# Altium PCB PCB v0.3.PcbDoc (part 2 of 2)
Units mm, origin at the board's own origin, x right, y up, seen from the top; angles counter-clockwise.
Board outline 38 x 38 mm, 8 copper layers (Top, GND Top, Signal 1/3.3V, Signal 2, Power 5/VBat, Signal 3, GND Bottom, Bottom), stack 1.211 mm thick; 169 components, 118 nets, 671 pads, 595 vias.
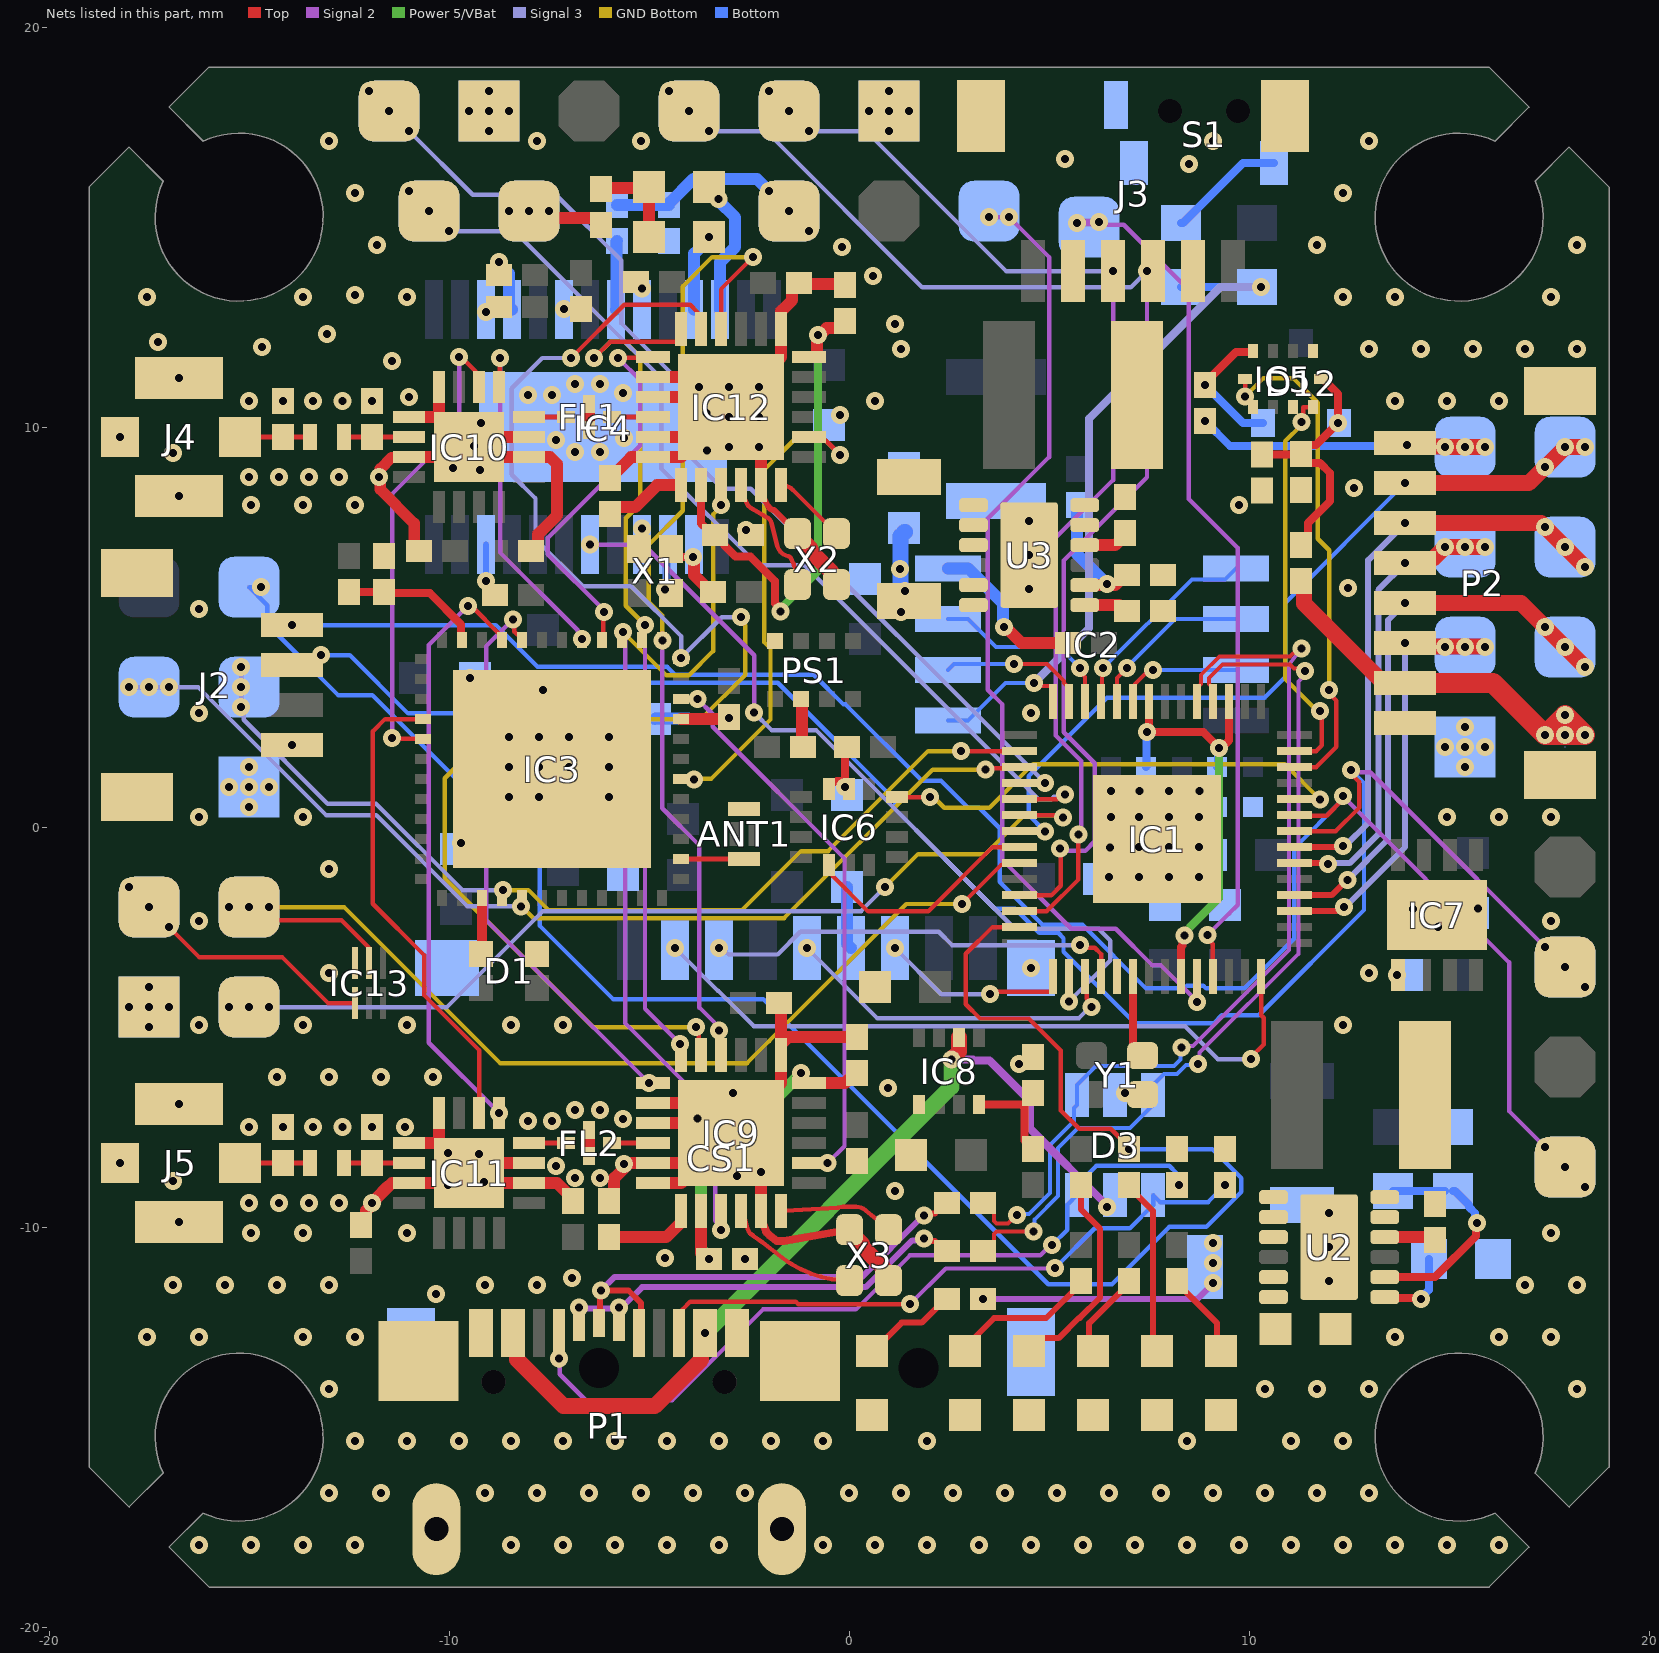
[diagram p8: the nets of this part, all layers, seen from the top]

## Via types
v1: diameter 0.45, hole 0.2, Top to Bottom, tented both sides, 590 vias
v2: diameter 0.6, hole 0.2, Top to Bottom, tented both sides, 4 vias
v3: diameter 0.8, hole 0.4, Top to Bottom, tented both sides, 1 vias

## Nets (pads, with @x,y where several pads share a name; then routed paths per layer and width w, separated by ;. In a path a pad name is that pad's centre, name@x,y a point inside that pad or via, vN(x,y) a via of type N, cw(c..) or ccw(c..) an arc to the next point about the centre after c; other vN are vias at no path point) (continued)
CC1: D3.6 P1.4 R8.2 | length 20.1
  Top w0.11: v1(-7.25,-13.287) P1.4@-7.25,-12.65
  Signal 2 w0.11: v1(-7.25,-13.287) -7.236,-13.302 -7.236,-13.677 -6.583,-14.33 -4.426,-14.33 -2.153,-12.057 0.169,-12.057 1.519,-10.708 4.781,-10.708 5.039,-10.45 v1(5.075,-10.45)
  Bottom w0.11: v1(5.075,-10.45) 5.455,-10.07 5.455,-9.445 D3.6@5.7,-9.2 5.7,-8.95 6.182,-8.468 8.004,-8.468 8.195,-8.659 8.195,-8.893 v1(8.252,-8.95)
CC2: D3.4 P1.10 R7.2 | length 15.8
  Top w0.11: P1.10@-4.25,-12.65 -4.155,-12.555 -4.155,-12.048 -3.975,-11.868 -1.332,-11.868 -1.275,-11.925 v1(1.524,-11.925)
  Signal 2 w0.11: v1@1.525,-11.925 2.415,-11.035 5.137,-11.035 v1(5.15,-11.022)
  Bottom w0.11: v1(5.15,-11.022) 6.142,-10.03 7.02,-10.03 7.6,-9.45 D3.4@7.6,-9.2 7.775,-9.375 8.975,-9.375 v1(9.4,-8.95)
CS: IC3.16 IC12.19 | length 9.7
  Top w0.11: IC3.16@-6.175,4.675 -6.15,4.7 -6.15,5.351 v1(-6.124,5.376) ; v1(-5.775,11.727) -5.764,11.739 -4.911,11.739 IC12.19@-4.9,11.75
  Signal 2 w0.11: v1(-6.124,5.376) -6.124,5.417 -7.532,6.825 -7.532,7.231 -5.218,9.545 -5.218,11.17 v1(-5.775,11.727)
CS_2: IC3.20 IC9.19 | length 14.3
  Top w0.11: v1(-8.402,5.194) -8.368,5.16 -8.368,4.884 -8.304,4.82 -8.245,4.82 -8.175,4.75 IC3.20@-8.175,4.675
  Top w0.3: v1(-5,-6.398) IC9.19@-4.9,-6.4 IC9.19@-4.9,-6.4
  Signal 2 w0.11: v1(-8.402,5.194) -9.075,4.521 -9.075,-2.323 v1(-5,-6.398)
CSB: IC1.8 IC6.12 | length 6
  Top w0.11: IC6.12@-0.5,-0.95 -0.405,-1.045 -0.405,-1.227 0.475,-2.107 1.976,-2.107 3.583,-0.5 IC1.8@4.262,-0.5
Curr_ADC: IC1.40 IC5.5 IC5.6 | length 12.8
  Top w0.11: v1@9.9,10.765 IC5.5@9.9,11.2 ; IC1.40@11.138,1.5 IC1.40@11.138,1.5 11.676,1.501 12.182,2.007 12.182,3.159 12.002,3.338 v1(12.002,3.43)
  GND Bottom w0.11: v1@9.895,10.763 10.357,11.225 11.1,11.225 11.714,10.611 11.714,7.211 12.002,6.923 v1(12.002,3.43)
  other v1: 9.893,10.765
Curr_ESC: P2.8 P27.1 R28.2 | length 7.4
  Top w0.4: P2.8@13.9,9.6 13.99,9.51 14.89,9.51 v1(14.9,9.5) v1(15.9,9.5)
  Bottom w0.2: v1(8.9,10.15) 9.527,9.523 13.913,9.523 v1(13.945,9.555)
  other v1: 15.4,9.5
Curr_HI: D12.2 IC5.4 R28.1 | length 3.4
  Top w0.2: v1(8.9,11.05) 8.9,11.1 9.675,11.875 10.075,11.875 IC5.4@10.1,11.9
  Bottom w0.2: v1(8.9,11.05) 9.85,10.1 D12.2@10.35,10.1
D_N: D3.3 IC1.46 R5.2 | length 22.9
  Top w0.1: R5.2@3.35,-10.6 3.4,-10.6 3.625,-10.375 3.625,-10.167 3.684,-10.108 v1(4.608,-10.108) ; IC1.46@9.1,3.138 9.1,3.475 9.001,3.575 9.001,3.725 9.338,4.063 11.024,4.063 11.121,3.966 11.334,3.966 v1(11.401,3.899)
  Signal 2 w0.1: v1(8.72,-5.92) 8.763,-5.877 8.763,-5.633 11.23,-3.166 11.23,3.641 11.401,3.813 v1(11.401,3.899) 11.346,3.899 v1@11.3,3.854
  Bottom w0.1: v1(4.608,-10.108) 4.64,-10.076 4.64,-9.81 5.223,-9.228 5.223,-8.027 5.725,-7.525 7.025,-7.525 7.6,-6.95 D3.3@7.6,-6.7 7.6,-6.45 7.875,-6.175 8.2,-6.175 8.422,-5.953 8.688,-5.953 v1(8.72,-5.92)
D_P: D3.1 IC1.47 R4.2 | length 23.3
  Top w0.1: R4.2@3.35,-9.4 3.4,-9.4 3.625,-9.625 3.625,-9.848 3.684,-9.906 3.966,-9.906 4.173,-9.7 v1(4.2,-9.7) ; IC1.47@8.7,3.138 8.7,3.475 8.799,3.575 8.799,3.809 9.255,4.264 11.024,4.264 11.232,4.472 v1(11.307,4.472)
  Signal 2 w0.1: v1(8.312,-5.512) 8.355,-5.469 8.6,-5.469 10.999,-3.07 10.999,4.063 v1(11.307,4.472)
  Bottom w0.1: v1(4.2,-9.7) 4.232,-9.668 4.498,-9.668 5.021,-9.144 5.021,-7.943 5.623,-7.341 5.623,-7.027 5.7,-6.95 D3.1@5.7,-6.7 5.7,-6.45 6.177,-5.973 8.117,-5.973 8.28,-5.81 8.28,-5.56 8.272,-5.553 v1(8.312,-5.512)
Debug: IC1.13 P34.1 R18.2 | length 47.3
  Top w0.11: IC1.13@4.262,-2.5 3.584,-2.5 2.918,-3.166 2.918,-4.428 3.274,-4.784 4.491,-4.784 5.293,-5.586 5.293,-7.084 5.752,-7.543 6.543,-7.543 7,-8 v1(7,-8.05)
  Bottom w0.11: v1(-14.699,5.998) v1(-14.699,5.998) P34.1@-15,6 -14.549,5.549 -14.549,5.073 -12.776,3.3 -11.924,3.3 -7.738,-0.887 -7.738,-2.462 -5.9,-4.3 -2.148,-4.3 4.981,-11.429 6.571,-11.429 8.007,-9.993 8.933,-9.993 9.807,-9.119 9.807,-8.781 9.076,-8.05 v1(7,-8.05)
DIO: IC3.6 IC12.8 | length 12.2
  Top w0.11: IC12.8@-1,9.75 -0.905,9.655 -0.573,9.655 -0.5,9.582 -0.223,9.305 v1(-0.223,9.298)
  GND Bottom w0.11: v1(-3.88,1.194) -3.868,1.206 -3.452,1.206 -1.966,2.691 -1.966,4.466 -2.125,4.625 -2.125,8.926 -1.394,9.657 -0.582,9.657 v1(-0.223,9.298)
DIO_2: IC3.10 IC9.8 | length 13.3
  Signal 2 w0.11: v1(-3.789,3.202) -3.407,2.82 -3.407,2.507 -0.115,-0.785 -0.115,-7.978 v1(-0.538,-8.4)
DUSB_N: P1.5 P1.7 R5.1 | length 11.3
  Top w0.15: P1.5@-6.75,-12.65 v1(-6.75,-12.013) ; P1.7@-5.75,-12.65 v1(-5.75,-12.013) ; v1(1.875,-10.289) 1.932,-10.346 2.146,-10.346 2.4,-10.6 R5.1@2.45,-10.6
  Signal 2 w0.15: v1(-6.75,-12.013) -6.729,-12.034 -5.771,-12.034 v1(-5.75,-12.013) ; v1@-5.722,-11.985 -5.66,-11.985 -5.175,-11.5 0.415,-11.5 1.583,-10.333 1.831,-10.333 v1(1.875,-10.289)
DUSB_P: P1.6 P1.8 R4.1 | length 12.5
  Top w0.15: P1.6@-6.25,-12.65 -6.228,-12.628 -6.228,-11.682 v1@-6.207,-11.66 ; v1(-6.207,-11.586) -5.514,-11.586 -5.198,-11.902 -5.198,-12.598 P1.8@-5.25,-12.65 ; v1(1.875,-9.711) 1.932,-9.654 2.146,-9.654 2.4,-9.4 R4.1@2.45,-9.4
  Signal 2 w0.15: v1(-6.207,-11.586) -5.87,-11.248 0.311,-11.248 1.8,-9.76 1.8,-9.711 v1(1.875,-9.711)
ELRS_MISO: IC3.13 IC9.16 IC12.16 | length 24.5
  Top w0.11: v1(-3.256,-5.082) -3.227,-5.111 -3.227,-5.398 -3.2,-5.425 IC9.16@-3.2,-5.7 ; IC12.16@-3.2,12.45 -3.2,13.45 v1(-2.4,14.25)
  Signal 2 w0.11: v1(-4.671,4.672) -4.671,0.471 -3.743,-0.457 -3.743,-4.511 -3.256,-4.998 v1(-3.256,-5.082)
  GND Bottom w0.11: v1(-4.671,4.672) -4.671,5.291 -5.005,5.625 -5.005,7.063 -4.157,7.911 -4.157,13.518 -3.425,14.25 v1(-2.4,14.25)
ELRS_MOSI: IC3.12 IC9.17 IC12.17 | length 38.3
  Top w0.11: v1(-6.952,11.727) -5.622,13.057 -3.975,13.057 -3.795,12.877 -3.795,12.545 IC12.17@-3.7,12.45 ; v1(-3.827,-5.003) -3.764,-5.066 -3.764,-5.636 IC9.17@-3.7,-5.7
  Signal 3 w0.11: v1(-6.952,11.727) -7.674,11.727 -8.432,10.969 -8.432,8.809 -7.841,8.218 -7.841,7.202 -6.66,6.021 -5.445,6.021 -4.2,4.776 v1(-4.2,4.232) -3.184,5.248 v1(-2.7,5.248)
  GND Bottom w0.11: v1(-3.827,-5.003) -6.397,-5.003 -10.107,-1.293 -10.107,1.219 -8.626,2.7 -3.7,2.7 -2.593,3.807 -2.593,5.049 -2.7,5.156 v1(-2.7,5.248)
ESPRX: IC1.2 IC3.40 P15.1 | length 24.4
  Top w0.11: v1(2.8,1.9) IC1.2@4.262,1.9
  Signal 3 w0.11: v1(-15.2,4) v1(-15.2,3.5) v1(-15.2,3) -15.135,2.935 -15.135,2.684 -13.038,0.587 -11.829,0.587 -9.667,-1.575 v1(-8.652,-1.575)
  GND Bottom w0.11: v1(-8.652,-1.575) -8.018,-1.575 -7.518,-2.075 -2.675,-2.075 -1.2,-0.6 -0.525,-0.6 1.975,1.9 v1(2.8,1.9)
ESPTX: IC1.3 IC3.41 P14.1 | length 26.2
  Top w0.11: v1(3.413,1.438) 3.444,1.469 4.231,1.469 IC1.3@4.262,1.5
  Signal 3 w0.11: v1(-18,3.5) v1(-17.5,3.5) v1(-17,3.5) -16.276,3.5 -13.076,0.3 -11.824,0.3 -9.542,-1.982 v1(-8.198,-1.982)
  GND Bottom w0.11: v1(-8.198,-1.982) -8.187,-1.982 -7.894,-2.275 -1.625,-2.275 2.088,1.438 v1(3.413,1.438)
Filtered_1: FL1.2 IC10.4 | length 0.9
  Top w0.125: IC10.4@-8,10.25 FL1.2@-7.075,10.25
Filtered_2: FL2.2 IC11.4 | length 0.9
  Top w0.125: IC11.4@-8,-7.9 FL2.2@-7.075,-7.9
GND: ANT1.1 C2.1 C3.1 C4.1 C5.1 C6.1 C8.1 C9.1 C10.1 C14.1 C15.2 C16.2 C17.1 C18.1 C19.1 C20.1 C21.2 C22.1 C23.1 C24.1 C25.1 C26.1 C27.1 C28.1 C29.1 C30.1 C31.2 C32.1 C33.1 C34.1 C35.1 C36.1 C39.1 C40.1 C42.1 C43.1 C44.1 C45.1 C46.1 C47.1 C48.1 C49.1 C50.1 C51.1 C52.1 C53.1 C54.1 C55.1 C56.1 C57.1 C58.2 C59.2 C60.2 C61.2 C62.1 CS1.6 CS1.10 CS1.11 CS1.12 CS1.13 D1.3 D3.2 D4.1 D5.1 D6.1 D7.1 D8.1 D9.1 FL1.1 FL1.3 FL2.1 FL2.3 IC1.19 IC1.57 IC2.4 IC3.49 IC4.4 IC4.20 IC4.23 IC4.29 IC5.1 IC6.6 IC6.7 IC7.5 IC7.9 IC8.1 IC9.5 IC9.13 IC9.20 IC9.21 IC9.23 IC9.24 IC9.25 IC10.2 IC10.3 IC10.8 IC10.9 IC10.11 IC10.17 IC11.2 IC11.3 IC11.8 IC11.9 IC11.11 IC11.17 IC12.5 IC12.13 IC12.20 IC12.21 IC12.23 IC12.24 IC12.25 IC13.3 J2.4 J2.5 J2.6 J3.2 J3.5 J3.MP1 J3.MP2 J4.2 J4.3 J4.4 J5.2 J5.3 J5.4 P1.1 P1.12 P1.13 P1.14 P1.15 P1.16 P2.1 P2.MP1 P2.MP2 P20.1 P20.2 P21.1 P21.2 P22.1 P22.2 P23.1 P24.1 PS1.1 PS1.7 R2.1 R3.1 R7.1 R8.1 R12.1 R13.1 R21.2 R27.1 R30.2 R40.1 S1.1 S1.3 S1.4 U2.1 U2.2 U2.13 U3.1 U3.2 U3.13 X1.4 X2.2 X2.4 X3.2 X3.4 Y1.2 | length 77.4
  Top w0.15: IC12.5@-2.2,8.55 -2.125,8.2 -2.026,8.025 ccw(c-1.85,8.125) -1.907,7.931 cw(c-1.949,7.787) -1.843,7.893 -1.456,7.506 X2.2@-1.288,7.337
  Top w0.2: X1.4@-4.45,6.95 -4.257,6.757 v1(-3.903,6.757) ; IC9.5@-2.2,-9.6 -2.15,-9.925 -2.077,-10.11 -2.066,-10.13 -1.991,-10.205 -1.805,-10.349 -1.772,-10.352 -1.733,-10.352 -1.665,-10.352 ccw(c-1.665,-10.152) -1.631,-10.349 -0.156,-10.092 X3.2@0.012,-10.063 ; IC6.7@-0.5,0.95 -0.5,1.075 -0.45,1.125 -0.325,1.125 -0.298,1.152 IC6.6@-0.148,1.152 ; v1(-0.1,1) -0.148,1.048 IC6.6@-0.148,1.152 ; C18.1@-0.05,2 -0.1,1.95 -0.1,1.2 IC6.6@-0.148,1.152
  Top w0.28: v1(-11.752,8.75) -11.719,8.717 -11.719,8.441 -10.873,7.595 -10.873,7.023 C55.1@-10.75,6.9 ; v1@-11.75,8.75 -11.719,8.781 -11.719,8.958 -11.438,9.24 -11.01,9.24 IC10.11@-11,9.25
  Top w0.3: C56.1@-12.2,-9.95 -12.075,-9.825 -12.075,-9.591 -11.929,-9.445 -11.929,-9.396 -11.677,-9.144 -11.677,-9.135 -11.539,-8.998 -11.531,-8.998 -11.433,-8.9 IC11.11@-11,-8.9 -9.75,-8.9 IC11.17@-9.5,-8.65 ; IC11.9@-11,-7.9 IC11.17@-10.25,-7.9 ; IC10.11@-11,9.25 -9.75,9.25 IC10.17@-9.5,9.5 ; IC10.9@-11,10.25 IC10.17@-10.25,10.25 ; IC11.8@-10.25,-7.15 IC11.17@-10.25,-7.9 ; IC10.8@-10.25,11 IC10.17@-10.25,10.25 ; IC11.3@-8,-8.4 -9.25,-8.4 IC11.17@-9.5,-8.65 ; IC10.3@-8,9.75 -9.25,9.75 IC10.17@-9.5,9.5 ; C54.1@-7.95,6.9 -7.9,6.9 -7.775,7.025 -7.775,7.325 -7.3,7.8 -7.3,9.074 -7.476,9.25 IC10.2@-8,9.25 -9.25,9.25 IC10.17@-9.5,9.5 ; C57.1@-6.9,-9.35 -6.9,-9.3 -7.3,-8.9 IC11.2@-8,-8.9 -9.25,-8.9 IC11.17@-9.5,-8.65 ; FL2.1@-6.5,-8.025 -6.5,-7.8 ; FL1.1@-6.5,10.125 -6.5,10.35 ; C49.1@-6,-9.35 -5.875,-9.225 -5.875,-8.775 -5.5,-8.4 IC9.23@-4.9,-8.4 IC9.25@-3.7,-8.4 ; C44.1@-5.975,8.725 -5.975,8.775 -5.85,8.9 -5.8,8.9 -5.45,9.25 IC12.24@-4.9,9.25 -4.467,9.25 -4.465,9.252 -4.198,9.252 IC12.25@-3.7,9.75 ; IC9.24@-4.9,-8.9 -4.467,-8.9 -4.465,-8.898 -4.198,-8.898 IC9.25@-3.7,-8.4 ; IC9.21@-4.9,-7.4 -3.791,-7.4 IC9.25@-3.2,-7.4 ; IC9.20@-4.9,-6.9 -3.7,-6.9 IC9.25@-3.35,-7.25 ; IC12.23@-4.9,9.75 IC12.25@-3.7,9.75 ; IC12.21@-4.9,10.75 IC12.25@-3.2,10.75 ; IC12.20@-4.9,11.25 -3.7,11.25 -3.225,10.775 IC12.25@-3.2,10.75 ; v1(-3.903,6.757) -3.875,6.728 -3.875,6.3 -3.45,5.875 C14.1@-3.4,5.875 ; v1(-3.791,-7.284) -3.384,-7.284 IC9.25@-3.35,-7.25 ; IC12.25@-3.791,9.659 v1(-3.55,9.417) ; IC9.5@-2.2,-9.6 v1(-2.2,-8.625) -2.2,-8.4 IC9.25@-2.95,-7.65 ; IC12.5@-2.2,8.55 -2.2,9.75 IC12.25@-2.95,10.5 ; C52.1@-1.75,-4.4 -1.7,-4.45 IC9.13@-1.7,-5.425 ; C46.1@-1.425,13.475 -1.425,13.175 -1.7,12.9 -1.7,12.017 -1.702,12.015 -1.702,11.748 IC12.25@-2.95,10.5 ; C46.1@-1.25,13.6 -1.225,13.575 -0.125,13.575 C48.1@-0.1,13.55 ; PS1.7@-1.2,3.2 -1.175,3.175 -1.175,2.025 C17.1@-1.15,2 ; C53.1@0.2,-5.25 -1.525,-5.25 IC9.13@-1.7,-5.425 ; v1(3.875,5) 3.916,5 4.316,4.6 C6.1@5.475,4.6 ; v1(4.241,-5.927) 4.27,-5.898 4.475,-5.898 4.6,-5.773 R40.1@4.6,-5.75 ; IC11.17@-10.25,-7.9 IC11.17@-9.5,-8.65 ; IC10.17@-10.25,10.25 IC10.17@-9.5,9.5 ; IC9.25@-3.7,-8.4 IC9.25@-2.95,-7.65 ; IC12.25@-3.7,9.75 IC12.25@-2.95,10.5 ; IC9.25@-3.35,-7.25 IC9.25@-3.2,-7.4 ; IC9.25@-3.2,-7.4 IC9.25@-2.95,-7.65 ; IC12.25@-3.2,10.75 IC12.25@-2.95,10.5 ; IC9.25@-2.95,-7.65 -1.702,-6.402 -1.702,-6.135 -1.7,-6.133 IC9.13@-1.7,-5.7 IC9.13@-1.7,-5.425
  Top w0.4: X2.2@-1.288,7.337 -1.288,7.287 -0.977,6.977 -0.977,6.913 -0.45,6.386 -0.45,6.2 X2.4@-0.313,6.062 ; X3.2@0.012,-10.063 0.012,-10.112 0.323,-10.423 0.323,-10.487 0.613,-10.777 0.616,-10.777 0.85,-11.011 0.85,-11.2 X3.4@0.987,-11.338
  Bottom w0.3: C62.1@-0.05,-1.5 -0.05,-2.925 CS1.6@0.05,-3.025 ; IC2.4@2.475,6.47 2.975,6.47 3.846,5.599 3.846,5.029 v1(3.875,5)
  other v1: -16.25,-17.95 -14.95,-17.95 -13.65,-17.95 -12.35,-17.95 -8.45,-17.95 -7.15,-17.95 -5.85,-17.95 -4.55,-17.95 -3.25,-17.95 -0.65,-17.95 0.65,-17.95 1.95,-17.95 3.25,-17.95 4.55,-17.95 5.85,-17.95 7.15,-17.95 8.45,-17.95 9.75,-17.95 11.05,-17.95 12.35,-17.95 13.65,-17.95 14.95,-17.95 16.25,-17.95 -13,-16.65 -11.7,-16.65 -9.1,-16.65 -7.8,-16.65 -6.5,-16.65 -5.2,-16.65 -3.9,-16.65 -2.6,-16.65 0,-16.65 1.3,-16.65 2.6,-16.65 3.9,-16.65 5.2,-16.65 6.5,-16.65 7.8,-16.65 9.1,-16.65 10.4,-16.65 11.7,-16.65 13,-16.65 -12.35,-15.35 -11.05,-15.35 -9.75,-15.35 -8.45,-15.35 -7.15,-15.35 -5.85,-15.35 -4.55,-15.35 -3.25,-15.35 -1.95,-15.35 -0.65,-15.35 1.95,-15.35 8.45,-15.35 11.05,-15.35 12.35,-15.35 -13,-14.05 10.4,-14.05 11.7,-14.05 13,-14.05 18.2,-14.05 -17.55,-12.75 -16.25,-12.75 -13.65,-12.75 -12.35,-12.75 13.65,-12.75 16.25,-12.75 17.55,-12.75 -10.325,-11.675 -16.9,-11.45 -15.6,-11.45 -14.3,-11.45 -13,-11.45 -9.1,-11.45 -7.8,-11.45 16.9,-11.45 18.2,-11.45 -6.925,-11.275 -2.6,-10.8 -4.6,-10.775 -14.95,-10.15 -13.65,-10.15 -11.05,-10.15 17.55,-10.15 -16.75,-9.875 -15,-9.4 -14.25,-9.4 -13.5,-9.4 -12.75,-9.4 -11.925,-9.4 1.15,-9.1 -10.025,-8.95 -9.125,-8.875 -16.9,-8.85 -6.85,-8.775 -6.225,-8.775 -2.8,-8.725 -7.325,-8.475 -5.625,-8.425 -18.225,-8.4 -9.25,-8.175 -10.025,-8.15 -15,-7.5 -14.15,-7.5 -13.408,-7.5 -12.667,-7.5 -11.925,-7.5 -11.1,-7.5 -8.025,-7.35 -7.425,-7.35 -5.65,-7.3 -6.85,-7.075 -6.225,-7.075 -16.75,-6.925 -2.9,-6.65 6.9,-6.65 0.975,-6.525 -14.3,-6.25 -13,-6.25 -11.7,-6.25 -10.4,-6.25 -17.5,-5 -16.25,-4.95 -13.65,-4.95 -11.05,-4.95 -8.45,-4.95 -7.15,-4.95 12.35,-4.95 -18,-4.5 -17.5,-4.5 -17,-4.5 -17.5,-4 13.7,-3.7 -13,-3.65 13,-3.65 4.55,-3.525 14.725,-2.5 -16.25,-2.35 17.55,-2.35 14.1,-2.05 15.722,-2.028 6.5,-1.25 7.25,-1.25 8,-1.25 8.75,-1.25 -13,-1.05 6.518,-0.507 7.25,-0.5 8,-0.5 8.75,-0.5 -9.7,-0.4 -16.25,0.25 -13.65,0.25 6.547,0.25 7.25,0.25 8,0.25 8.75,0.25 14.95,0.25 16.25,0.25 17.55,0.25 -15,0.5 -8.5,0.75 -7.75,0.75 -6,0.75 6.547,0.898 7.26,0.898 8,0.9 8.76,0.9 -15.5,1 -15,1 -14.5,1 -15,1.5 -8.5,1.5 -7.75,1.5 -7,1.5 -6,1.5 15.4,1.5 14.9,2 15.4,2 15.9,2 -13.925,2.05 -8.5,2.25 -7.75,2.25 -7,2.25 -6,2.25 15.4,2.5 -16.25,2.85 4.55,2.85 -7.65,3.425 -9.482,3.725 -16.25,5.45 12.475,5.975 -2.575,7.425 -14.95,8.05 -13.65,8.05 -12.35,8.05 9.75,8.05 -16.75,8.275 12.625,8.475 -15,8.75 -14.25,8.75 -13.5,8.75 -12.75,8.75 -9.225,8.925 -9.9,8.975 -16.9,9.35 -6.85,9.375 -6.225,9.375 -3,9.5 -2.25,9.5 -9.375,9.525 -7.325,9.675 -5.625,9.725 -18.225,9.75 -9.2,10.1 -3,10.25 -2.25,10.25 -0.223,10.3 -3.568,10.35 -15,10.65 -14.15,10.65 -13.408,10.65 -12.667,10.65 -11.925,10.65 0.65,10.65 13.65,10.65 14.95,10.65 16.25,10.65 -11,10.75 -8.025,10.8 -7.425,10.8 -5.65,10.85 -3.75,11 -3,11 -2.25,11 -6.85,11.075 -6.225,11.075 -16.75,11.225 -11.425,11.65 1.3,11.95 13,11.95 14.3,11.95 15.6,11.95 16.9,11.95 18.2,11.95 -14.675,12 -17.275,12.125 -13.05,12.325 1.15,12.575 -7.125,12.95 -17.55,13.25 -13.65,13.25 -11.05,13.25 12.35,13.25 13.65,13.25 17.55,13.25 -12.35,13.3 -5.175,13.464 0.6,13.775 -0.175,14.5 -11.8,14.55 11.7,14.55 18.2,14.55 -12.35,15.85 12.35,15.85 8.5,16.575 5.4,16.7 -13,17.15 -7.8,17.15 -5.2,17.15 9.1,17.15 13,17.15 -9,17.4 1,17.4 -9.5,17.9 -9,17.9 -8.5,17.9 0.5,17.9 1,17.9 1.5,17.9 -9,18.4 1,18.4
  other v2: 12,-11.35 12,-9.65 4.5,5.95 4.5,7.65
Gyro_Int1: IC1.38 IC6.4 | length 12.1
  Top w0.11: IC6.4@1.2,0.75 v1(2.025,0.75) ; IC1.38@11.138,0.7 11.141,0.697 11.767,0.697 v1(11.77,0.693)
  GND Bottom w0.11: v1(2.025,0.75) 2.113,0.75 2.381,0.482 3.507,0.482 4.6,1.575 10.888,1.575 v1(11.77,0.693)
IO2: IC1.4 P8.1 P8.2 | length 26.6
  Top w0.11: IC1.4@4.262,1.1 4.266,1.103 4.891,1.103 v1(4.895,1.107)
  Signal 3 w0.11: v1(-12,18.4) v1(-11.5,17.9) v1(-11,17.4) -9.407,15.807 -7.331,15.807 -5.7,14.176 -5.7,12.6 -4.205,11.105 -4.205,9.497 -3.167,8.459 -2.457,8.459 v1(4.895,1.107)
IO3: IC1.5 P9.1 P9.2 | length 25.2
  Top w0.11: IC1.5@4.262,0.7 5.208,0.7 5.329,0.821 v1(5.396,0.821)
  Signal 3 w0.11: v1(-11,15.9) v1(-10.5,15.4) v1(-10,14.9) -8.372,14.9 -4.7,11.228 -4.7,8.97 -2.28,6.55 -1.124,6.55 4.726,0.7 5.063,0.7 5.119,0.756 5.33,0.756 v1(5.396,0.821)
IO4: IC1.6 P3.1 P3.2 | length 24
  Top w0.11: IC1.6@4.263,0.301 5.296,0.301 v1(5.351,0.245)
  Signal 3 w0.11: v1(-15.5,-4.5) v1(-15,-4.5) v1(-14.5,-4.5) -10.054,-4.5 -7.654,-2.1 0.3,-2.1 v1(0.9,-1.5)
  GND Bottom w0.11: v1(0.9,-1.5) 1.725,-0.675 3.408,-0.675 4.383,0.301 5.296,0.301 v1(5.351,0.245)
IO5: IC1.7 P2.7 P4.1 | length 20.6
  Top w0.11: IC1.7@4.262,-0.1 4.266,-0.104 4.891,-0.104 v1(4.894,-0.106)
  Top w0.4: v1(13.9,8.6) 16.986,8.6 17.386,9 v1(17.4,9) v1(17.9,9.5) v1(18.4,9.5)
  Bottom w0.11: v1(4.894,-0.106) 4.488,0.3 4.488,1.276 6.446,3.234 10.386,3.234 10.9,3.747 10.9,5.6 v1(13.9,8.6)
IO24: IC1.36 J2.2 P7.1 P7.2 | length 46.7
  Top w0.11: IC1.36@11.138,-0.1 12.168,-0.1 12.748,0.48 12.748,1.133 12.548,1.333 v1(12.548,1.425)
  Signal 2 w0.11: v1(12.548,1.425) 12.603,1.37 13.029,1.37 v1@18.399,-4
  Bottom w0.11: v1(-13.2,4.3) -12.482,4.3 -11.025,2.843 -7.175,2.843 -7,3.018 -7,3.107 -6.498,3.609 -1.784,3.609 1.147,0.678 1.147,0.453 3.642,-2.043 4.153,-2.043 4.753,-2.643 5.225,-2.643 5.36,-2.778 5.36,-3.119 7.141,-4.9 9.122,-4.9 9.317,-4.705 10.239,-4.705 12.872,-2.072 12.872,1.101 v1(12.548,1.425)
  other v1: 18.4,-4 17.9,-3.5 17.4,-3
IO25: IC1.37 J2.1 P6.1 P6.2 | length 48
  Top w0.11: IC1.37@11.138,0.3 11.152,0.286 11.939,0.286 12.341,0.689 v1(12.341,0.776)
  Signal 2 w0.11: v1(12.341,0.776) 16.5,-3.382 16.5,-7.1 v1(17.4,-8) v1(18.4,-9)
  Bottom w0.11: v1(-13.925,5.05) -8.833,5.05 -7.79,4.007 -4.551,4.007 -4.353,3.809 -0.883,3.809 -0.141,3.067 -0.091,3.067 1.819,1.157 2.298,1.157 2.973,0.482 3.251,0.482 3.763,-0.03 3.763,-1.37 4.836,-2.443 5.836,-2.443 7.425,-4.032 8.375,-4.032 8.446,-3.961 8.854,-3.961 8.925,-4.032 9.875,-4.032 11.132,-2.775 11.132,-0.521 12.341,0.689 v1(12.341,0.776)
  other v1: 17.9,-8.5
M1: IC1.31 P2.3 P16.1 | length 10.6
  Top w0.15: IC1.31@11.138,-2.1 12.186,-2.102 12.286,-2.001 v1(12.367,-2.001)
  Top w0.4: v1(13.9,4.6) 13.99,4.51 15.89,4.51 v1(15.9,4.5)
  Signal 3 w0.15: v1(12.367,-2.001) 12.396,-2.001 13.9,-0.497 v1(13.9,4.6)
  other v1: 14.9,4.5 15.4,4.5
M2: IC1.32 P2.4 P17.1 | length 14.2
  Top w0.15: IC1.32@11.138,-1.7 12.064,-1.7 12.436,-1.328 v1(12.465,-1.328)
  Top w0.4: v1(13.9,5.6) 16.8,5.6 v1(17.4,5) v1(17.9,4.5) v1(18.4,4)
  Signal 3 w0.15: v1(12.465,-1.328) 12.465,-1.316 13.473,-0.308 13.473,5.173 v1(13.9,5.6)
M3: IC1.34 P2.5 P18.1 | length 11.6
  Top w0.15: IC1.34@11.138,-0.9 11.948,-0.9 v1(11.975,-0.927)
  Top w0.4: v1(13.9,6.6) 14,6.7 14.586,6.7 14.886,7 v1(15.4,7) v1(15.9,7)
  Signal 3 w0.15: v1@11.979,-0.923 12.001,-0.901 12.514,-0.901 13.233,-0.182 13.233,5.933 v1(13.9,6.6)
  other v1: 14.9,7